# Altium PCB 自控mos驱动V3.0.PcbDoc
Units mm, origin at the board's own origin, x right, y up, seen from the top; angles counter-clockwise.
Board outline 120.25 x 57.66 mm, 2 copper layers (Top Layer, Bottom Layer); 41 components, 25 nets, 119 pads, 122 vias.
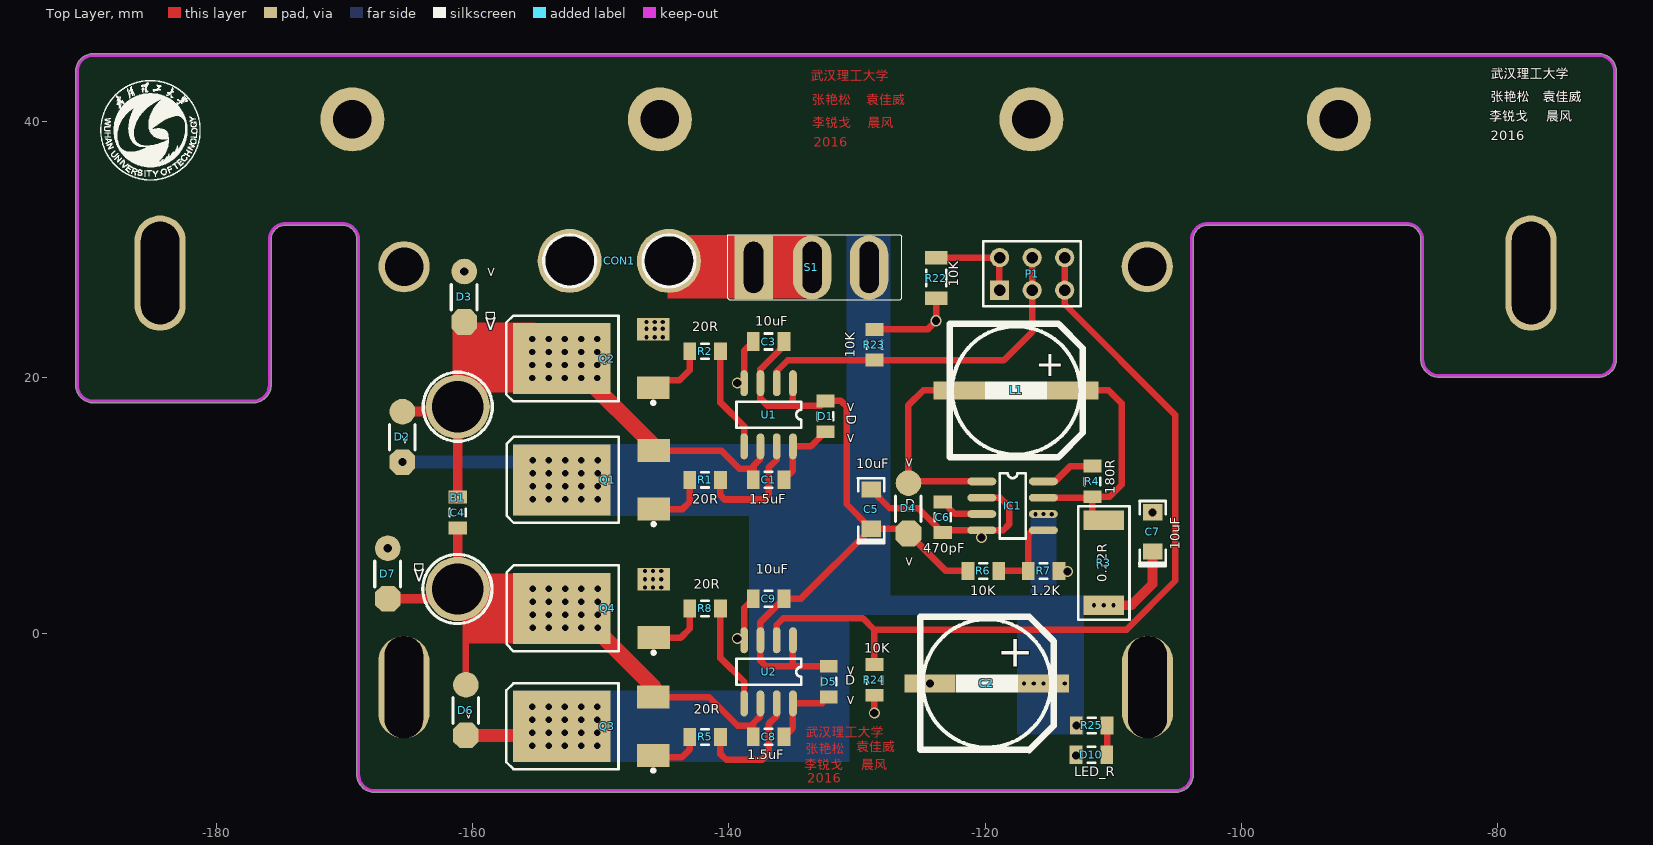
[diagram p0: Top Layer view]
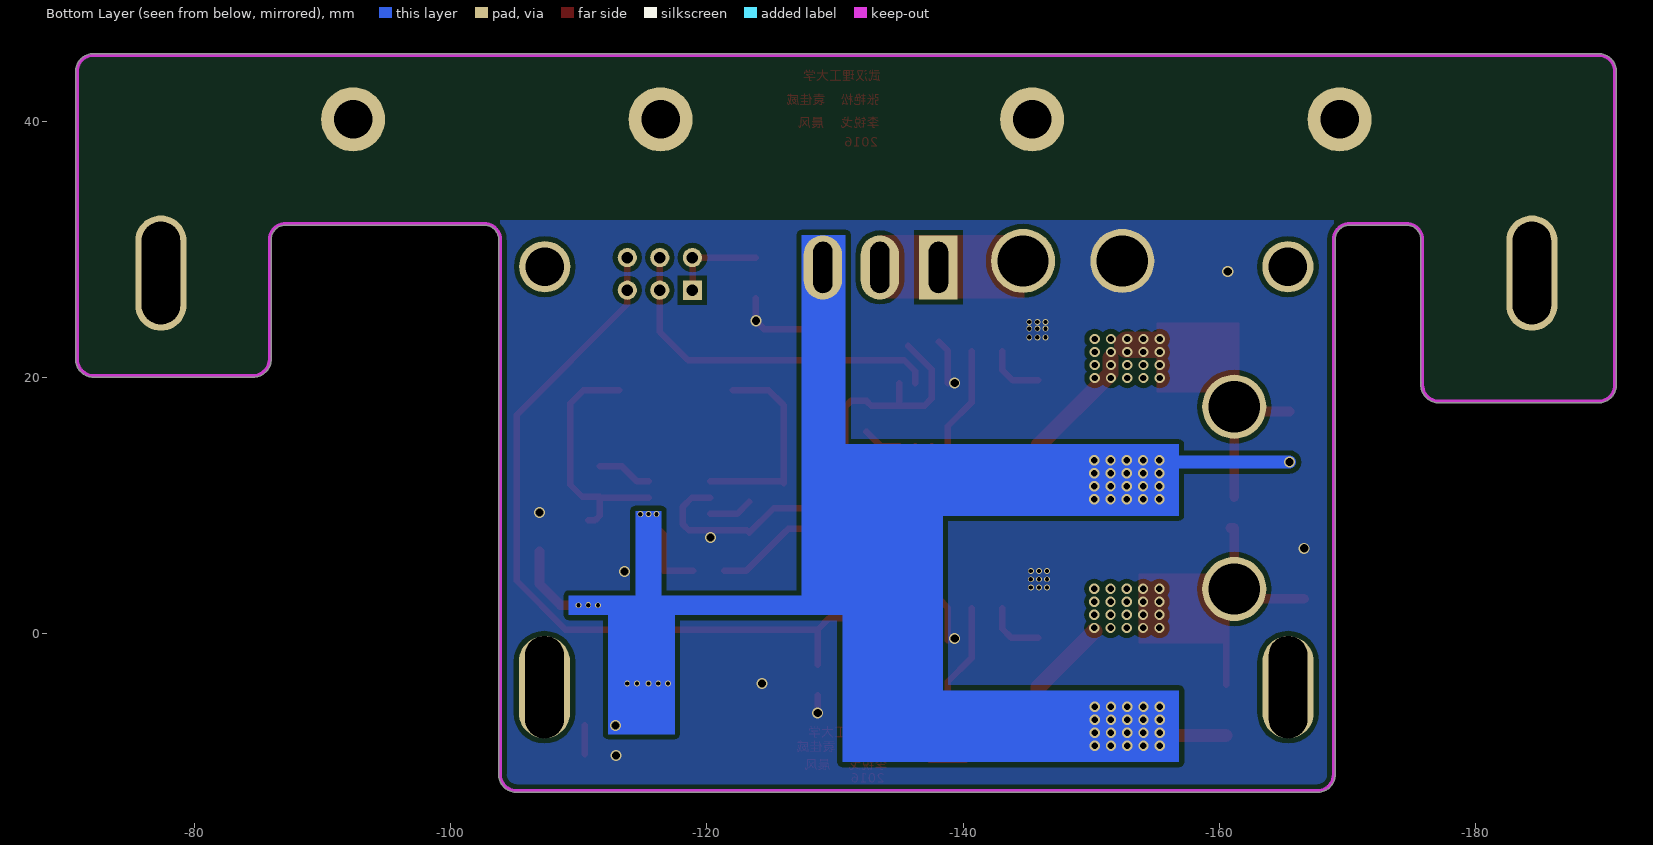
[diagram p1: Bottom Layer view, seen from below]

## Layer stack, top to bottom
Top Layer: signal copper 0.0356
Dielectric: dielectric 0.32, FR-4, Dk 4.8
Bottom Layer: signal copper 0.0356

## Board outline
-189.579,18.005 cw(c-189.579,19.402) -190.976,19.402 -190.976,43.862 cw(c-189.579,43.862) -189.579,45.259 -72.119,45.259 cw(c-72.119,43.862) -70.722,43.862 -70.722,21.402 cw(c-72.119,21.402) -72.119,20.005 -84.579,20.005 cw(c-84.579,21.402) -85.976,21.402 -85.976,21.59 cw(c-85.849,21.59) -85.969,21.632 -85.969,21.633 cw(c-85.849,21.675) -85.976,21.675 -85.976,30.734 ccw(c-87.119,30.734) -87.119,31.877 -102.604,31.877 ccw(c-102.604,30.734) -103.747,30.734 -103.747,-10.998 cw(c-103.874,-10.998) -103.747,-11.001 cw(c-103.874,-11.004) -103.747,-11.004 cw(c-105.144,-11.004) -105.144,-12.401 cw(c-105.144,-12.274) -105.147,-12.401 cw(c-105.15,-12.274) -105.15,-12.401 -167.628,-12.401 cw(c-167.628,-11.004) -169.025,-11.004 -169.025,30.734 ccw(c-170.168,30.734) -170.168,31.877 -174.579,31.877 ccw(c-174.579,30.734) -175.722,30.734 -175.722,19.643 cw(c-175.849,19.643) -175.729,19.601 -175.729,19.6 cw(c-175.849,19.558) -175.722,19.558 -175.722,19.402 cw(c-177.119,19.402) -177.119,18.005

## Design rules (kind name [scope] priority, off if disabled: settings)
Clearance [All] p1: gap=0.381
PlaneConnect [All] p1: planeconnectstyle=Direct reliefexpansion=0.508 reliefentries=4 reliefconductorwidth=0.254 reliefairgap=0.254
PolygonConnect [All] p1: connectstyle=Direct reliefconductorwidth=0.254 reliefentries=4 polygonreliefangle="90 Angle" airgapwidth=0.254
RoutingVias [All] p1: holewidth=0.711 width=1.27 viastyle="Through Hole" minholewidth=0.711 minwidth=1.27 maxholewidth=0.711 maxwidth=1.27
SolderMaskExpansion [All] p1: expansion=0.102
Width [All] p1: maxlimit=2.032 minlimit=0.152 preferedwidth=0.508 minimp=50.000000 maximp=50.000000 favimp=50.000000
27 further rules are at their usual default settings.

## Components (designator, comment, footprint, x,y, rotation, side; value= is the part's Value field where it differs from the comment)
B1 "Motor" KF301-2P#1 -161.024,4.871 r180 top
C1 "CAP" C2012 -136.894,11.995 r0 top
C2 "Cap" SMD-EC-F10 -115.431,-3.892 r180 top
C3 "Cap Pol1" C2012 -136.894,22.79 r180 top
C4 "Cap" C2012 -161.151,9.443 r270 top
C5 "Cap Pol1" 1206C -128.893,9.709 r270 top
C6 "Cap" C2012 -123.305,9.074 r90 top
C7 "Cap Pol1" 1206C -106.922,7.931 r270 top
C8 "Cap" C2012 -136.894,-8.071 r0 top
C9 "Cap Pol1" C2012 -136.894,2.724 r180 top
CON1 "PowerIn" KF301-2P#2 -148.476,29.083 r270 top
D1 "S4" R2012 -132.449,16.948 r270 top
D2 "SS14" "hole-chip diode" -166.485,17.317 r270 top
D3 "SS14" "hole-chip diode" -161.659,28.251 r270 top
D4 "SS14" "hole-chip diode" -126.988,11.741 r270 top
D5 "S4" R2012 -132.195,-3.753 r270 top
D6 "SS14" "hole-chip diode" -161.532,-4.007 r270 top
D7 "SS14" "hole-chip diode" -167.628,6.649 r270 top
D10 "POWER" C2012 -111.696,-9.468 r180 top
IC1 "MC34063" MC34063 -117.844,9.963 r0 top
L1 "Inductor" SMD-EC-F10 -113.145,18.968 r180 top
P1 "Header 3X2" HDR2X3 -118.86,26.798 r0 top
Q1 "IR7843" LR7843 -149.467,11.995 r0 top
Q2 "IR7843" LR7843 -149.492,21.463 r0 top
Q3 "IR7843" LR7843 -149.492,-7.239 r0 top
Q4 "IR7843" LR7843 -149.467,1.962 r0 top
R1 "Res2" R2012 -141.847,11.995 r180 top
R2 "Res2" R2012 -141.847,22.028 r180 top
R3 "Res2" SK54 -110.732,5.518 r270 top
R4 "Res2" R2012 -111.621,11.868 r270 top
R5 "Res2" R2012 -141.847,-8.071 r180 top
R6 "Res2" R2012 -120.13,4.883 r0 top
R7 "Res2" R2012 -115.431,4.883 r180 top
R8 "Res2" R2012 -141.847,1.962 r180 top
R22 "Res2" 1206(2) -123.813,27.743 r90 top
R23 "Res2" R2012 -128.639,22.536 r270 top
R24 "Res2" R2012 -128.639,-3.626 r90 top
R25 "1K" R2012 -111.671,-7.169 r180 top
S1 "SW-SPST" SW-125V6A(-) -138.062,28.575 r0 top
U1 "IR2104S" IR2104 -136.894,17.075 r270 top
U2 "IR2104S" IR2104 -136.894,-2.991 r270 top

## Footprints (in the part's own frame and the unit in brackets; to place one, negate y for a bottom-side part, rotate by r counter-clockwise, add the part's x,y. Pads: shape width x height; smd on the part's side, far side on the other; paste and mask are expansions set on the pad)
1206(2) [mm]
  rect 1.05x1.75 smd: 1(-1.575,0) 2(1.575,0)
  silkscreen extent -0.65,-0.77 0.65,0.77, body extent -1.6,-0.8 1.6,0.8, height 1.6
1206C [mil]
  rect 50x60 smd: 1(60,0) 2(-60,0)
  silkscreen extent -95,-40 105,40
C2012 [mm] "Chip Capacitor, 2-Leads, Body 2.0x1.2mm, IPC Low Density"
  rect 1x1.45 smd: 1(-1.2,0) 2(1.2,0)
  silkscreen extent -0.3,-0.63 0.3,0.63, body extent -0.98,-0.6 1.02,0.6, height 0.5
HDR2X3 [mm] "Connector; Header; 3x2 Position"
  rect 1.5x1.5 hole 0.9: 1(0,0)
  round 1.5 hole 0.9: 2(0,2.54) 3(2.54,0) 4(2.54,2.54) 5(5.08,0) 6(5.08,2.54)
  silkscreen extent -1.27,-1.27 6.35,3.81
"hole-chip diode" [mm]
  round 2 smd: 1(0,1.016)
  oct 2x2 smd: 2(3.937,1.016)
  silkscreen extent 1,0 3,2
IR2104 [mil]
  oval 80x23.62 smd: 1(-97,75) 2(-97,25) 3(-97,-25) 4(-97,-75) 5(97,-75) 6(97,-25) 7(97,25) 8(97,75)
  silkscreen extent -40,-98 40,100
KF301-2P#1 [mm]
  round 5 hole 4: 1(0.127,-12.827) 2(0.127,1.397)
  silkscreen extent -2.57,-15.53 2.86,4.1
KF301-2P#2 [mm]
  round 5 hole 4: 1(0,-3.937) 2(0,3.81)
  silkscreen extent -2.03,-5.97 2.03,5.84
LR7843 [mm]
  rect 2.54x1.778 smd: 1(3.6,-2.28) 3(3.6,2.28)
  rect 7.6x5.55 smd: 2(-3.556,0)
  silkscreen extent -7.87,-3.58 3.73,3.35
MC34063 [mm]
  oval 2.25x0.6 smd: 1(-2.4,1.905) 2(-2.4,0.635) 3(-2.4,-0.635) 4(-2.4,-1.905) 5(2.4,-1.905) 6(2.4,-0.635) 7(2.4,0.635) 8(2.4,1.905)
  silkscreen extent -1.02,-2.55 1.02,2.55
R2012 [mm] "Chip Resistor, 2-Leads, Body 2.0x1.2mm, IPC Low Density"
  rect 1x1.4 smd: 1(-1.2,0) 2(1.2,0)
  silkscreen extent -0.3,-0.6 0.3,0.6, body extent -0.98,-0.6 1.02,0.6, height 0.5
SK54 [mm]
  rect 1.52x3.18 smd: A(-3.305,0) K(3.305,0)
  silkscreen extent -4.43,-2 4.43,2.01
SMD-EC-F10 [mm]
  rect 4x1.4 smd: 1(0,0) 2(8.86,0)
  silkscreen extent -0.78,-5.2 9.62,5.2
SW-125V6A(-) [mm]
  rect 3x5 hole 1.5 slot 4 at 90 deg: 0(0,0)
  oval 3x5 hole 1.5 slot 4 at 90 deg: 1(4.572,0) 2(9.017,0)
  silkscreen extent -2.03,-2.54 11.56,2.54

## Part data
B1: library part "Motor Servo", "Servo Motor"
C1: library part Cap, "Capacitor"
C2: library part CAP+
C3 C5 C7 C9: "Polarized Capacitor (Radial)"
C4 C6 C8: "Capacitor"
CON1: library part "Header 2", "Header, 2-Pin"
D1 D2 D3 D4 D5 D6 D7: library part "Diode 1N4007", "1 Amp General Purpose Rectifier"
D10: library part LED, "Typical INFRARED GaAs LED"
P1: "Header, 3-Pin, Dual row"
Q1 Q2 Q3 Q4: library part NMOS-2, "N-Channel Power MOSFET"
R1 R2 R3 R4 R5 R6 R7 R8 R22 R23 R24: "Resistor"
R25: library part Res, "Resistor of led"
S1: "Single-Pole, Single-Throw Switch"
U1 U2: library part Component_1_1

## Free pads (board coordinates)
  round 5 hole 3: 0(-116.381,40.132) 1(-92.381,40.132) 3(-145.381,40.132) 4(-169.381,40.132)
  oval 4x9 hole 3 slot 8 at 90 deg: 2(-77.381,28.132) 5(-184.381,28.132)
  oval 4x8 hole 3 slot 8 at 90 deg: ""(-165.354,-4.191) ""(-107.315,-4.191)
  round 4 hole 3: ""(-165.342,28.632) ""(-107.342,28.632)

## Via types
v1: diameter 0.8, hole 0.5, Top Layer to Bottom Layer, 80 vias
v2: diameter 0.457, hole 0.33, Top Layer to Bottom Layer, 29 vias
v3: diameter 0.864, hole 0.635, Top Layer to Bottom Layer, 13 vias

## Nets (pads, with @x,y where several pads share a name; then routed paths per layer and width w, separated by ;. In a path a pad name is that pad's centre, name@x,y a point inside that pad or via, vN(x,y) a via of type N, cw(c..) or ccw(c..) an arc to the next point about the centre after c; other vN are vias at no path point)
12V: C3.1 C5.1 C9.1 D1.1 D4.2 D5.1 R6.1 U1.1 U1.3 U2.1 U2.3 | length 55.2
  Top Layer w0.508: C3.1@-135.694,22.454 -137.529,20.619 U1.3 -137.529,18.333 -136.976,17.78 -134.989,17.78 ; -134.989,-2.426 U2.1 ; U1.1 -134.989,17.78 ; D5.1 -137.09,-2.553 -137.529,-2.114 U2.3 -137.529,0.889 C9.1 -134.354,2.724 C5.1 ; R6.1 -123.051,4.883 D4.2 -126.353,8.185 C5.1 ; -134.989,17.78 -132.817,17.78 D1.1 -131.248,18.148 -130.798,17.698 -130.798,10.09 C5.1
EGND: C2.2 C3.2 C5.2 C6.1 C7.2 C9.2 CON1.1 D3.1 D7.1 D10.2 IC1.2 IC1.4 Q2.3 Q4.3 R7.1 R22.1 R23.1 R24.1 U1.4 U2.4 | length 31.3
  Top Layer w0.508: U2.4 -138.799,2.019 C9.2 ; U1.4 -138.799,22.085 C3.2 ; C5.2 -127.439,9.779 -125.21,9.779 C6.1 ; v3(-128.639,-6.198) R24.1 ; R23.1 -124.486,23.736 v3(-123.813,24.409) R22.1 ; C6.1@-123.121,8.058 IC1.4 -118.574,8.058 -118.123,8.509 -118.123,9.906 -118.815,10.598 IC1.2
  other v2: -146.546,3.601 -145.911,3.601 -145.276,3.601 -146.546,4.236 -145.911,4.236 -145.276,4.236 -146.546,4.871 -145.911,4.871 -145.276,4.871 -146.419,23.114 -145.784,23.114 -145.149,23.114 -146.419,23.794 -145.784,23.794 -145.149,23.794 -146.419,24.308 -145.784,24.308 -145.149,24.308
  other v3: -112.903,-9.525 -124.291,-3.892 -139.332,-0.381 -113.551,4.826 -166.612,6.649 -120.282,7.493 -106.922,9.455 -139.332,19.558 -160.643,28.251
NetC1_2: C1.2 D1.2 U1.8 | length 5.9
  Top Layer w0.508: C1.2 -134.989,12.7 U1.8 -133.586,14.611 D1.2
NetC6_2: C6.2 IC1.3 | length 3.5
  Top Layer w0.508: C6.2 -122.359,9.328 IC1.3
NetC8_2: C8.2 D5.2 U2.8 | length 5.2
  Top Layer w0.508: C8.2 -134.989,-7.366 U2.8 -132.697,-5.455
NetD4_1: D4.1 IC1.1 L1.2 | length 16.1
  Top Layer w0.508: D4.1 -125.972,17.825 -124.829,18.968 L1.2 ; D4.1@-125.845,11.868 IC1.1
NetD10_1: D10.1 R25.1 | length 2.3
  Top Layer w0.508: D10.1@-110.471,-9.443 R25.1
NetIC1_5: IC1.5 R6.2 R7.2 | length 5.6
  Top Layer w0.508: R6.2 R7.2 -116.631,7.735 IC1.5@-116.308,8.058 ; IC1.5 IC1.5@-115.432,8.046
NetIC1_7: IC1.7 L1.1 R3.A R4.2 | length 19.5
  Top Layer w0.508: IC1.7 R4.2@-111.691,10.598 ; L1.1 -110.351,18.968 -109.335,17.952 -109.335,11.602 -110.269,10.668 R4.2 -111.621,9.189 -111.255,8.823 R3.A
NetIC1_8: IC1.8 R4.1 | length 4.3
  Top Layer w0.508: IC1.8 -114.53,11.868 -113.33,13.068 R4.1
NetP1_1: P1.1 P1.2 R22.2 | length 7.5
  Top Layer w0.508: R22.2 -118.88,29.318 -118.88,26.818 P1.1
NetQ1_1: Q1.1 R1.2 | length 4.8
  Top Layer w0.508: Q1.1 -143.607,9.715 -143.047,10.275 R1.2
NetQ2_1: Q2.1 R2.2 | length 4.6
  Top Layer w0.508: Q2.1@-145.867,19.748 -143.861,19.748 -143.047,20.562 R2.2
NetQ3_1: Q3.1 R5.2 | length 4.1
  Top Layer w0.508: Q3.1@-145.892,-9.652 -143.65,-9.652 -143.047,-9.049 R5.2
NetQ4_1: Q4.1 R8.2 | length 4.7
  Top Layer w0.508: Q4.1 -143.734,-0.318 -143.047,0.369 R8.2
NetR1_1: R1.1 U1.7 | length 9.3
  Top Layer w0.508: R1.1 -140.647,10.783 -140.323,10.459 -137.275,10.459 -136.894,10.84 -136.894,12.934 -136.259,13.569 U1.7
NetR2_1: R2.1 U1.5 | length 8.2
  Top Layer w0.508: R2.1 -140.647,18.022 -138.799,16.174 U1.5
NetR5_1: R5.1 U2.7 | length 9.7
  Top Layer w0.508: R5.1 -140.647,-9.41 -140.196,-9.861 -137.402,-9.861 -136.894,-9.353 -136.894,-7.067 -136.259,-6.432 U2.7
NetR8_1: R8.1 U2.5 | length 8.2
  Top Layer w0.508: R8.1 -140.647,-1.917 -138.799,-3.765 U2.5
OUT1: B1.1 C1.1 C4.1 D2.1 D3.2 Q1.3 Q2.2 U1.6 | length 35.9
  Top Layer w0.508: Q1.3 -140.583,14.275 -139.18,12.872 -138.164,12.872 -138.094,12.802 C1.1 -138.037,12.052 -138.037,13.126 -137.529,13.634 U1.6
  Top Layer w0.762: D2.1 B1.1@-161.532,17.317 ; C4.1 B1.1
  Top Layer w1.27: Q2.2@-151.499,21.508 -151.499,20.295 -145.867,14.663 Q1.3
  Top Layer w2.032: B1.1 B1.1@-160.643,18.206 ; Q2.2@-155.309,22.536 Q2.2@-152.769,22.536
  other v1: -155.334,19.939 -154.064,19.939 -152.794,19.939 -151.524,19.939 -150.254,19.939 -155.334,20.955 -154.064,20.955 -152.794,20.955 -151.524,20.955 -150.254,20.955 -155.334,21.971 -154.064,21.971 -152.794,21.971 -151.524,21.971 -150.254,21.971 -155.334,22.987 -154.064,22.987 -152.794,22.987 -151.524,22.987 -150.254,22.987
OUT2: B1.2 C4.2 C8.1 D6.1 D7.2 Q3.3 Q4.2 U2.6 | length 34.9
  Top Layer w0.508: D6.1 B1.2@-160.516,2.839 ; Q3.3@-145.867,-4.984 -141.517,-4.984 -139.307,-7.194 -138.094,-7.194 C8.1 ; -138.094,-6.997 -137.529,-6.432 U2.6
  Top Layer w0.762: D7.2 B1.2@-161.913,2.712 ; B1.2 C4.2 C4.2@-160.84,8.243
  Top Layer w1.27: Q4.2@-150.229,0.172 -145.867,-4.19 Q3.3@-145.867,-4.984
  other v1: -155.309,0.438 -154.039,0.438 -152.769,0.438 -151.499,0.438 -150.229,0.438 -155.309,1.454 -154.039,1.454 -152.769,1.454 -151.499,1.454 -150.229,1.454 -155.309,2.47 -154.039,2.47 -152.769,2.47 -151.499,2.47 -150.229,2.47 -155.309,3.486 -154.039,3.486 -152.769,3.486 -151.499,3.486 -150.229,3.486
PWM1: P1.3 P1.4 R23.2 U1.2 | length 27.9
  Top Layer w0.508: U1.2 -136.259,20.472 -135.395,21.336 R23.2 -118.524,21.336 -116.32,23.54 P1.3 P1.4
PWM2: P1.5 P1.6 R24.2 U2.2 | length 66
  Top Layer w0.508: U2.2 -136.259,0.68 -135.751,1.188 -129.528,1.188 -128.639,0.299 ; R24.2 -128.639,0.299 ; P1.6 P1.5 -113.78,25.699 -105.144,17.063 -105.144,4.109 -108.954,0.299 -128.639,0.299
VBAT: CON1.2 S1.0 S1.1
VCC: C2.1 C7.1 D2.2 D6.2 IC1.6 Q1.2 Q3.2 R3.K R25.2 S1.2 | length 24.3
  Top Layer w0.762: v2(-110.732,2.213) -108.564,2.213 -106.922,3.855 C7.1
  Top Layer w1.016: D6.2 Q3.2@-153.753,-7.944
  Bottom Layer w1.016: -164.961,13.38 v3(-165.469,13.38) v1@-155.448,13.38
  other v1: -155.334,-8.763 -154.064,-8.763 -152.794,-8.763 -151.524,-8.763 -150.254,-8.763 -155.334,-7.747 -154.064,-7.747 -152.794,-7.747 -151.524,-7.747 -150.254,-7.747 -155.334,-6.731 -154.064,-6.731 -152.794,-6.731 -151.524,-6.731 -150.254,-6.731 -155.334,-5.715 -154.064,-5.715 -152.794,-5.715 -151.524,-5.715 -150.254,-5.715 -155.309,10.471 -154.039,10.471 -152.769,10.471 -151.499,10.471 -150.229,10.471 -155.309,11.487 -154.039,11.487 -152.769,11.487 -151.499,11.487 -150.229,11.487 -155.309,12.503 -154.039,12.503 -152.769,12.503 -151.499,12.503 -150.229,12.503 -155.309,13.519 -154.039,13.519 -152.769,13.519 -151.499,13.519 -150.229,13.519
  other v2: -116.955,-3.892 -116.193,-3.892 -115.431,-3.892 -114.542,-3.892 -113.78,-3.892 -111.494,2.204 -109.97,2.204 -116.066,9.316 -115.444,9.328 -114.796,9.316
  other v3: -112.871,-7.169

## Polygon pours and split planes (outlines as drawn)
EGND on Bottom Layer "Top Layer-No Net" (solid, pour order 4): -168.898,32.258 -168.898,-12.274 -103.874,-12.274 -103.874,32.258

## Keep-outs
Keep-Out Layer:
  lines w0.254: -190.849,19.868 -190.849,43.688 -190.849,43.862 cw(c-189.579,43.862) -189.579,45.132 -72.476,45.132 ; -190.849,20.193 -190.849,19.402 ccw(c-189.579,19.402) -189.579,18.132 -177.119,18.132 ccw(c-177.119,19.402) -175.849,19.402 -175.849,19.558 ; -175.849,19.643 -175.849,30.132 -175.849,30.734 cw(c-174.579,30.734) -174.579,32.004 -170.168,32.004 cw(c-170.168,30.734) -168.898,30.734 -168.898,-10.846 ; -168.898,-10.668 -168.898,-11.004 ccw(c-167.628,-11.004) -167.628,-12.274 -105.15,-12.274 ; -105.703,-12.274 -105.144,-12.274 ccw(c-105.144,-11.004) -103.874,-11.004 ; -103.874,-10.998 -103.874,29.972 -103.874,30.734 cw(c-102.604,30.734) -102.604,32.004 -87.119,32.004 cw(c-87.119,30.734) -85.849,30.734 -85.849,30.132 -85.849,21.675 ; -85.849,21.59 -85.849,21.402 ccw(c-84.579,21.402) -84.579,20.132 -72.617,20.132 ; -72.937,20.132 -72.119,20.132 ccw(c-72.119,21.402) -70.849,21.402 -70.849,43.505 ; -72.81,45.132 -72.119,45.132 cw(c-72.119,43.862) -70.849,43.862 -70.849,43.307

## Other copper
Top Layer:
  rectangle net VBAT: -144.793,26.162 -133.49,31.115
  rectangle net OUT1: -161.557,18.796 -155.08,24.257
  rectangle net OUT2: -160.668,-0.762 -153.683,4.699
  text "武汉理工大学" at -133.604,42.926 h1.27
  text "张艳松" at -133.477,41.021 h1.27
  text "袁佳威" at -129.286,41.021 h1.27
  text "李锐戈" at -133.477,39.243 h1.27
  text "晨风" at -129.159,39.243 h1.27
  text "2016" at -133.35,37.719 h1.27
  text "武汉理工大学" at -133.973,-8.337 h1.27
  text "袁佳威" at -130.036,-9.48 h1.27
  text "张艳松" at -133.973,-9.607 h1.27
  text "李锐戈" at -134.1,-10.877 h1.27
  text "晨风" at -129.655,-10.877 h1.27
  text "2016" at -133.871,-11.938 h1.27
Bottom Layer:
  rectangle net VCC: -156.833,9.189 -130.442,14.777
  rectangle net VCC: -138.418,-10.033 -130.569,9.779
  rectangle net VCC: -135.116,1.442 -109.208,2.966
  rectangle net VCC: -116.447,1.95 -114.415,9.57
  rectangle net VCC: -156.858,-10.033 -137.935,-4.445
  rectangle net VCC: -130.823,2.794 -127.394,31.115
  rectangle net VCC: -117.488,-7.874 -112.281,1.651

## Silkscreen, mask and mechanical layers (free items; w line width, h text height)
Top Overlay:
  drawing of 2348 lines, arcs and shapes, not listed
  text "武汉理工大学" at -80.518,43.053 h1.27
  text "张艳松" at -80.518,41.275 h1.27
  text "袁佳威" at -76.454,41.275 h1.27
  text "李锐戈" at -80.645,39.751 h1.27
  text "晨风" at -76.2,39.751 h1.27
  text "2016" at -80.518,38.227 h1.27
  text ">" at -159.119,28.62 h1.27 r270
  text "10K" at -121.806,27.051 h1.27 r90
  text "D" at -159.246,25.203 h1.27 r270
  text ">" at -159.491,24.854 h2 r270
  text "10uF" at -137.935,23.749 h1.27
  text "20R" at -142.863,23.298 h1.27
  text "10K" at -129.909,21.52 h1.27 r90
  text ">" at -131.052,18.091 h1.27 r270
  text "D" at -131.052,17.075 h1.27 r270
  text ">" at -131.052,15.678 h1.27 r270
  text ">" at -165.85,15.539 h1.27 r270
  text ">" at -126.48,13.773 h1.27 r270
  text "10uF" at -130.036,12.63 h1.27
  text "180R" at -109.589,10.852 h1.27 r90
  text "20R" at -142.863,9.836 h1.27
  text "1.5uF" at -138.418,9.836 h1.27
  text "D" at -126.226,9.455 h1.27
  text "10uF" at -104.509,6.534 h1.27 r90
  text ">" at -126.48,6.026 h1.27 r270
  text "470pF" at -124.829,6.026 h1.27
  text "D" at -164.825,5.55 h1.27 r270
  text ">" at -165.07,5.202 h2 r270
  text "10uF" at -137.91,4.375 h1.27
  text "0.22R" at -110.224,3.994 h1.27 r90
  text "20R" at -142.736,3.232 h1.27
  text "10K" at -121.146,2.724 h1.27
  text "1.2K" at -116.447,2.724 h1.27
  text "10K" at -129.426,-1.778 h1.27
  text ">" at -131.052,-2.483 h1.27 r270
  text "D" at -130.925,-4.261 h1.27
  text ">" at -131.052,-4.769 h1.27 r270
  text ">" at -160.897,-5.924 h1.27 r270
  text "20R" at -142.736,-6.547 h1.27
  text "1.5uF" at -138.545,-10.103 h1.27
  text "LED_R" at -113.03,-11.43 h1.27
Mechanical 15:
  lines w0.254: -168.517,-10.242 -104.255,-10.242 -104.255,31.668 -123.163,31.668 -123.163,23.921 -152.896,23.921 -152.896,31.668 -168.517,31.668 -168.517,-10.242

## Text inside footprints (layer, text, board x,y; h text height)
C2: Top Overlay "+" at -116.211,-0.452 h2.5 r180
L1: Top Overlay "+" at -113.785,21.786 h2 r180